# KiCad board RobotLegoController.kicad_pcb (continued)
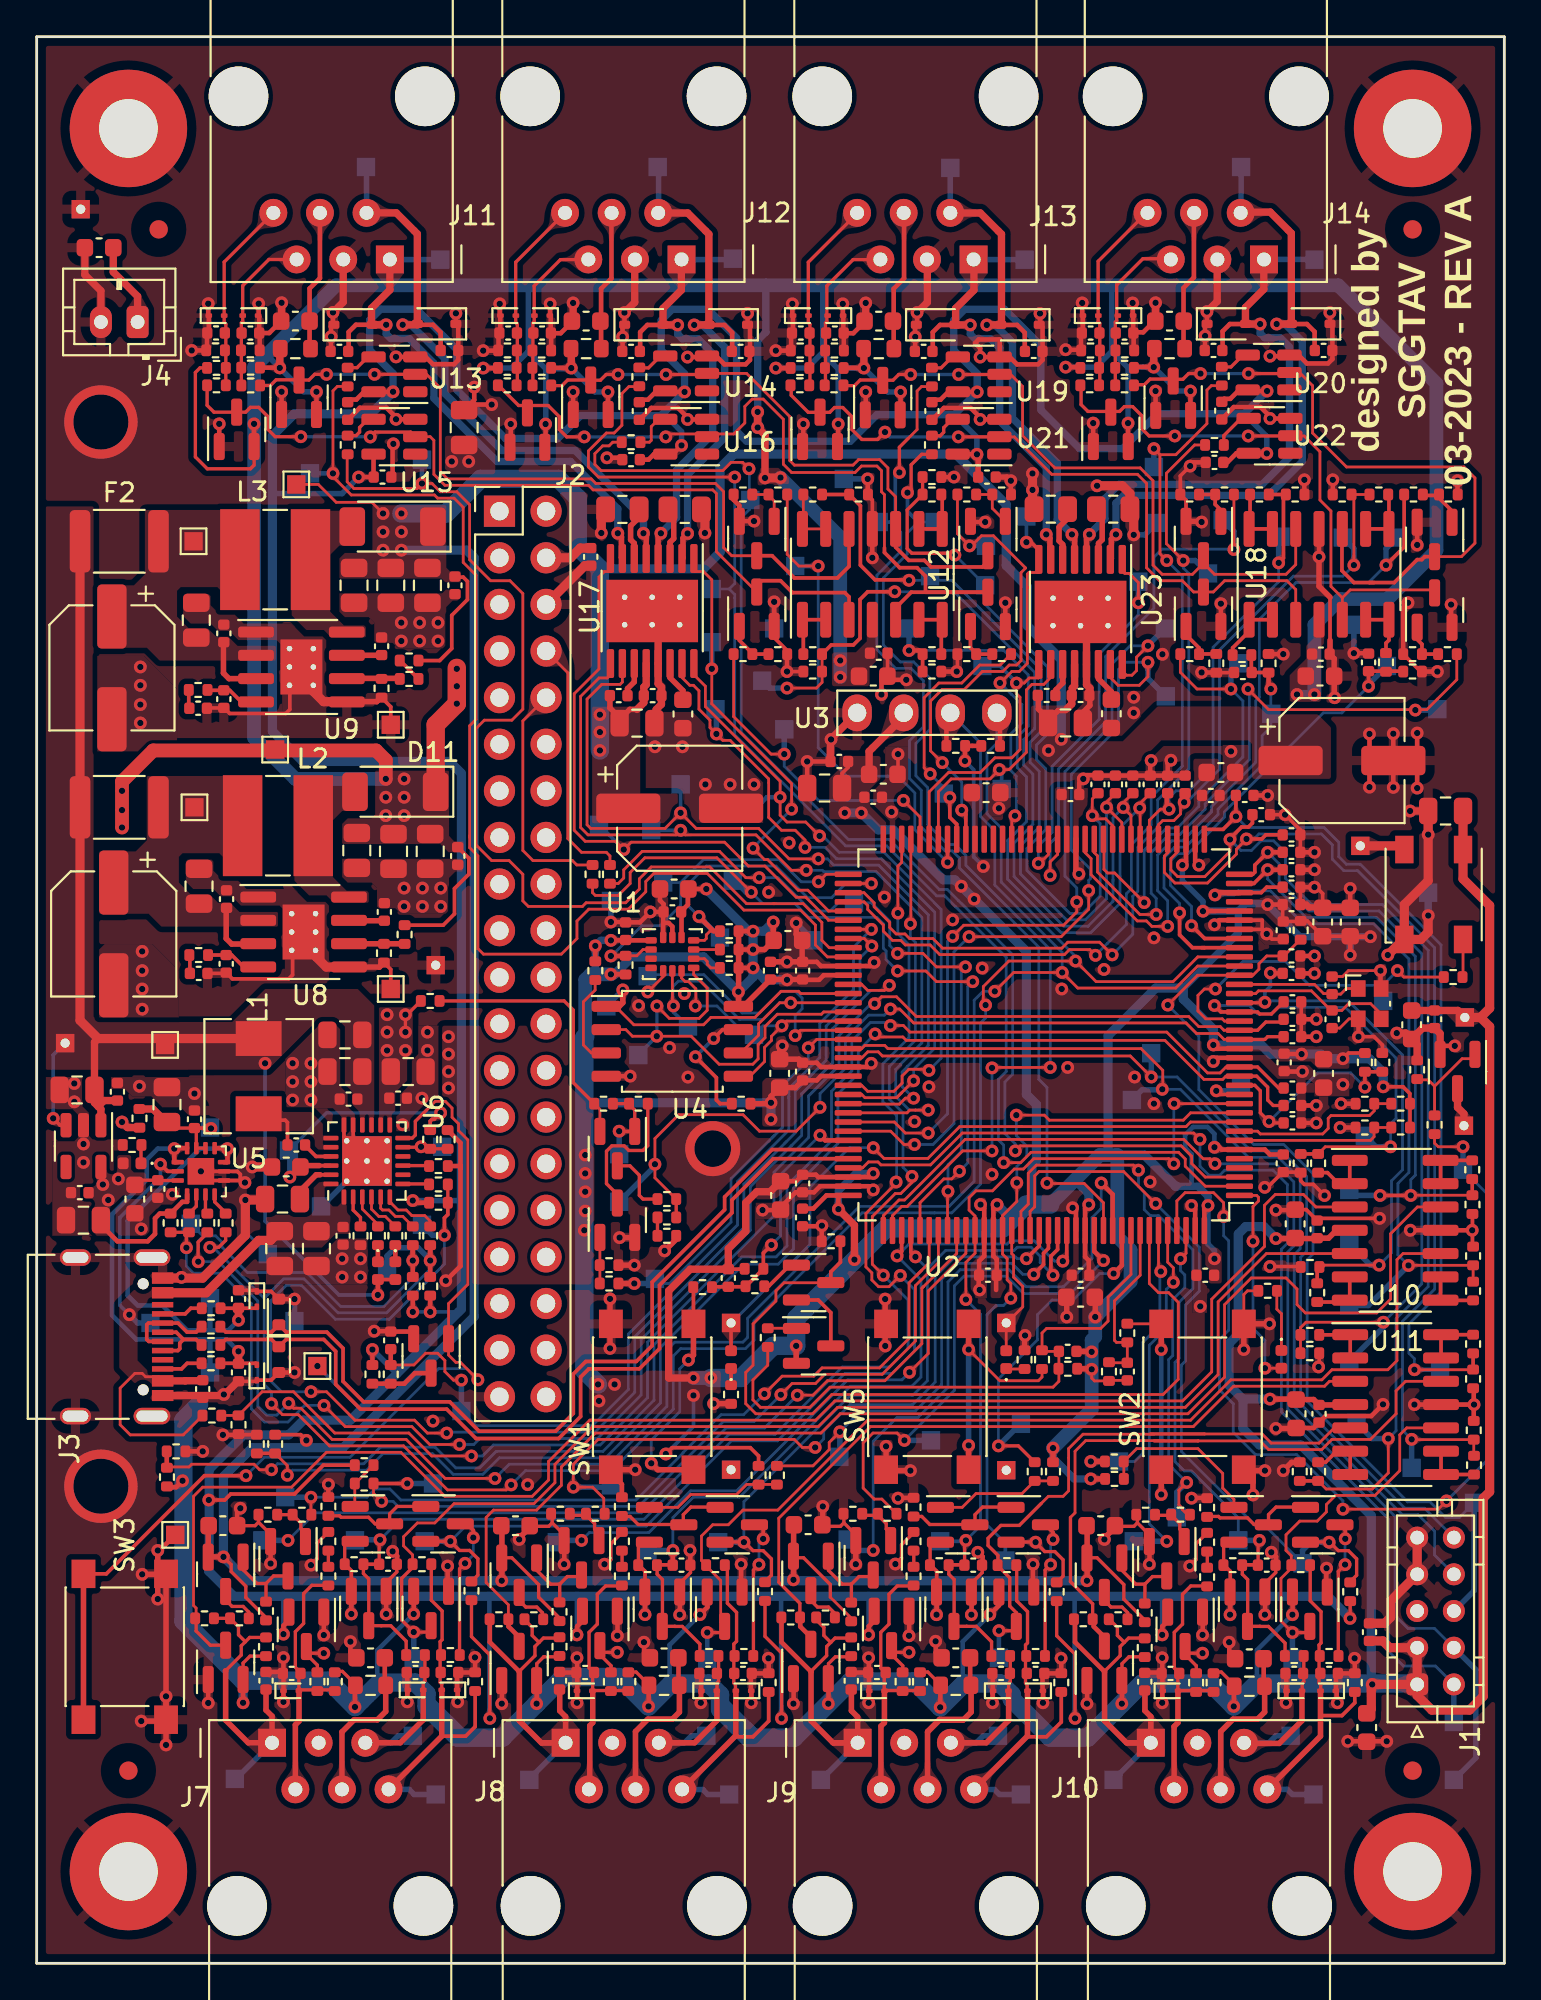
[diagram p0: board, top side]
## Routing (per net, layer and track width the routed paths; a pad name or vN(x,y) marks a point on that pad's centre or on a via; arc(x,y) is an arc through that point) (continued)
MOTORD_PIN5_SENSE: length 28.5
  L1 w0.15: R214.2 R218.1 71.8,79.92 71.8,76.25 ; v1(62.55,63.28) 62.35,63.08 62.35,62.64 61.98,62.28 61.38,62.28 61.15,62.05 U2.42
  L1 w0.25: 62.55,63.75 62.5,63.7 62.5,63.33 v1(62.55,63.28)
  L4 w0.15: v1(62.55,63.28) 62.68,63.28 64.47,65.07 64.47,71.58 68.5,75.6 71.2,75.6 v1(71.8,76.2)
  L4 w0.3: v1(71.8,76.2) 71.8,77.1 TP114.1
MOTORD_PIN6_DET: length 36.2
  L1 w0.15: v1(66.03,69.45) 67.15,68.33 75.78,68.33 77.41,69.96 R234.1 ; 59.7,57.6 59.7,57.6 ; 59.7,57.6 60.14,57.16 v1(61.03,57.16) ; 59.7,57.6 57.82,59.47 57.82,60.36 57.65,60.53 U2.49
  L4 w0.15: v1(61.03,57.16) 61.03,58.04 60.75,58.32 60.75,60.54 61.74,61.53 62.32,61.53 63.69,62.9 63.69,63.19 66.1,65.6 66.1,69.38 v1(66.03,69.45)
  L4 w0.3: v1(75.15,68.3) 76.3,68.3 TP120.1
MOTORD_PIN6_ENCODER: length 49.2
  L1 w0.15: v1(62.5,76.45) 61.58,77.37 61.58,81.21 63.12,82.75 R240.1 ; U2.75 45.09,58.35 45.65,57.79 45.65,57.58 46.5,56.73 46.5,56.45 46.85,56.1 47.33,56.1 47.58,55.85 48.85,55.85 49.38,55.32 55.88,55.32 56.21,55.65 57.93,55.65 v1(58.62,54.96)
  L4 w0.15: v1(62.5,76.45) 62.5,76.05 62.8,75.75 62.8,65.1 61.1,63.4 61.1,61.9 60.02,60.82 60.02,58.42 59.75,58.15 59.75,56.08 v1(58.62,54.96)
  L4 w0.3: v1(62.5,76.45) 63.15,76.45 TP137.1
MOTORD_PIN6_SENSE: length 26.1
  L1 w0.2: v1(62.95,56.55) 62.96,56.55 63.66,55.85 U2.29 ; R232.1 74.47,70.42 C164.1 v1(72.6,69.6)
  L4 w0.15: v1(72.6,69.6) 71.15,68.15 70.14,68.15 64.75,62.76 64.75,62.47 62.75,60.47 62.19,60.47 61.8,60.08 61.8,58.75 62.95,57.6 v1(62.95,56.55)
  L4 w0.3: TP118.1 72.6,69.7 v1(72.6,69.6)
MOTORD_PWM1: length 44.7
  L1 w0.15: v1(48.6,45.25) 47.35,45.25 46.75,45.85 U2.100 ; v1(49.92,55.97) 50.53,56.57 55.97,56.57 56.69,57.29 v1(56.69,57.84) ; U23.16 59.18,70.42 59.4,70.2 59.7,70.2 59.95,70.45 59.95,71.18 v1(60.58,71.81)
  L4 w0.15: v1(49.92,55.97) 49.65,55.69 49.65,46.3 v1(48.6,45.25) ; v1(60.58,71.81) 59.61,71.81 58.62,70.82 58.62,67.51 56.05,64.94 56.05,59.25 56.69,58.61 v1(56.69,57.84)
  L4 w0.3: TP124.1 60.58,71.83 v1(60.58,71.81)
MOTORD_PWM2: length 46.7
  L1 w0.15: v1(60.58,70.91) 60.58,70.13 60.1,69.65 58.95,69.65 58.53,70.08 U23.15 ; U2.101 46.55,45.35 47.27,44.63 v1(47.85,44.63) ; v1(50.82,55.95) 55.84,55.95 57.34,57.45 v1(57.34,58.47)
  L4 w0.15: v1(47.85,44.63) 48.86,44.63 50,45.77 50,55.13 v1(50.82,55.95) ; v1(60.58,70.91) 59.36,70.91 58.97,70.52 58.97,67.37 56.4,64.8 56.4,60.67 57.44,59.63 57.44,59.11 57.34,59.02 v1(57.34,58.47)
  L4 w0.3: v1(60.58,70.91) 60.58,70.02 TP125.1
PIEZO_PWM: length 55.8
  L1 w0.15: v1(77.75,44.5) 76.4,44.5 76.2,44.7 R153.2 ; v1(71.2,24.75) 76.4,24.75 v1(76.85,25.2) ; v1(64.7,40.7) 64.7,41.45 64.15,42 62.6,42 62.15,41.55 U2.141
  L4 w0.15: v1(77.75,44.5) 77.75,43.25 79.2,41.8 79.2,27.55 v1(76.85,25.2) ; v1(71.2,24.75) 71.2,25.21 68.68,27.72 66.43,27.72 65.22,28.93 65.22,30.5 64.47,31.25 64.47,34 64.97,34.5 64.97,39.38 64.7,39.65 v1(64.7,40.7)
  L4 w0.3: TP145.1 77.75,43.25 v1(77.75,44.5)
PM_NIRQ: length 67.9
  L1 w0.15: v1(46.48,53.3) 46.2,53.03 45.29,53.03 44.97,53.35 U2.85 ; v1(15.66,30.41) 16.82,29.25 20.45,29.25 21.43,28.27 v1(23.05,28.27)
  L1 w0.18: R33.1 R38.1 8.16,39.7 v1(8.16,39)
  L4 w0.15: 41.16,44.59 38.9,42.32 38.9,39.95 32.95,34 32.95,30.97 30.58,28.6 24.16,28.6 23.83,28.27 v1(23.05,28.27) ; 41.16,44.59 41.7,45.12 41.7,47.39 43.38,49.07 43.38,50.93 45.47,53.03 46.2,53.03 v1(46.48,53.3) ; 41.16,44.59 41.1,44.52 ; v1(15.66,30.41) 14.61,30.41 13.7,29.5 12.42,29.5 11.7,30.22 11.7,35.95 10.04,37.61 8.55,37.61 8.16,38 v1(8.16,39)
SHUTDOWN: length 51.5
  L1 w0.15: v1(45.5,56.35) U2.79 ; v1(23.15,31.78) 22.72,31.78 22.25,32.25 22.25,32.85 21.85,33.25 21.2,33.25 20.56,32.61 R35.1
  L1 w0.25: C46.1 R35.1
  L4 w0.15: 41,47.25 41,45.41 38.2,42.61 38.2,40.24 32.25,34.29 32.25,31.26 30.29,29.3 23.95,29.3 TP25.1 v1(23.15,31.78) ; 41,47.25 41,47.1 ; 41,47.25 41,47.68 42.68,49.36 42.68,51.22 44.53,53.07 44.53,55.38 v1(45.5,56.35)
  L4 w0.3: v1(23.15,31.78) TP25.1
SYS_I2C_SCL: length 127.1
  L1 w0.15: v1(52.23,52.97) 53.25,54 v1(55.9,54) 56.75,53.15 62.09,53.15 63.29,54.35 U2.26 ; v1(24.98,26.42) 22.27,26.42 20.14,28.55 16.11,28.55 14.4,30.25 14.01,30.25 v1(13.73,30.53)
  L1 w0.18: v1(8.81,38.24) 8.8,38.24 8.8,39.3 9.3,39.8 R37.1
  L1 w0.2: v1(20.5,38.3) R39.1
  L1 w0.25: R39.1 R46.1 ; R19.1 49.59,67.94 U3.3 ; 20.5,39.15 v1(20.5,38.3)
  L4 w0.15: v1(24.98,26.42) 25.76,27.2 31.2,27.2 34.35,30.35 34.35,33.42 34.78,33.85 38.49,33.85 38.75,34.11 38.75,35.15 44.85,41.25 49.73,41.25 51.1,42.62 51.1,52.48 51.59,52.97 v1(52.23,52.97) ; 9.1,39.65 9.75,39.65 10.1,39.3 10.1,39.03 11.48,37.65 14.72,37.65 16.57,35.8 18.93,35.8 20.5,37.37 v1(20.5,38.3) ; 9.1,39.65 8.81,39.36 v1(8.81,38.24) 9.91,38.24 12.05,36.09 12.05,30.37 12.54,29.88 13.08,29.88 v1(13.73,30.53) ; 9.1,39.65 9.05,39.65 TP30.1 ; U3.3 51.45,66.5 51.45,62.51 52.22,61.73 52.22,58.76 55.9,55.09 v1(55.9,54)
SYS_I2C_SDA: length 124.6
  L1 w0.15: v1(51.72,52.22) 51.6,52.35 51.6,53.23 52.99,54.62 v1(56.63,54.62) 57.75,53.5 61.94,53.5 63.29,54.85 U2.27 ; v1(25.86,26.07) 25.59,25.8 22.39,25.8 19.99,28.2 15.96,28.2 14.26,29.9 13.4,29.9 v1(12.8,30.5)
  L1 w0.18: v1(9.44,39.02) 9.92,39.02 10.3,39.4 R36.1
  L1 w0.2: v1(21.45,38.3) R40.1
  L1 w0.25: R40.1 R44.1 ; U3.4 52.51,67.98 R20.1 ; 21.45,39.15 v1(21.45,38.3)
  L4 w0.15: v1(21.45,38.3) 21.45,37.83 19.07,35.45 16.42,35.45 14.57,37.3 13.46,37.3 12.4,36.24 ; 48.95,40.9 48.7,40.9 ; 48.95,40.9 49.88,40.9 51.45,42.47 51.45,51.25 51.72,51.52 v1(51.72,52.22) ; 48.95,40.9 44.99,40.9 39.1,35.01 39.1,33.96 38.64,33.5 35.1,33.5 34.7,33.1 34.7,30.21 31.34,26.85 26.64,26.85 v1(25.86,26.07) ; v1(56.63,54.62) 56.63,54.87 52.57,58.92 52.57,61.88 51.8,62.65 51.8,65.96 52.34,66.5 U3.4 52.25,68.06 ; 12.4,36.24 12.4,31.55 12.8,31.15 v1(12.8,30.5) ; 12.4,36.24 9.62,39.02 v1(9.44,39.02) 9.44,39.03
  L4 w0.3: TP29.1 19.1,38.55 19.55,39 20.79,39 21.45,38.34 v1(21.45,38.3)
USB_DN: length 48
  L1 w0.2: R32.2 10.31,34.4 12.8,34.4 D5.1 13.6,34.4 15.82,34.4 16.7,33.52 16.7,31.72 17.82,30.6 22.52,30.6 24.12,29 28.28,29 29.25,29.97 29.25,32.12 29.93,32.8 32.68,32.8 33.55,33.67 33.55,37.12 37.5,41.07 37.5,41.77 40.08,44.35 U2.103
USB_DP: length 48.1
  L1 w0.15: 44.19,43.9 U2.104
  L1 w0.2: R34.2 10.01,33.71 10.3,34 12.8,34 D4.1 13.6,34 15.65,34 16.3,33.35 16.3,31.55 17.65,30.2 22.35,30.2 23.95,28.6 28.45,28.6 29.65,29.8 29.65,31.95 30.1,32.4 32.85,32.4 33.95,33.5 33.95,36.96 37.9,40.91 37.9,41.6 40.15,43.85 U2.104
Net-(C84-Pad1): length 1
  L1 w0.2: R63.1 8.35,54.92 C84.1
Net-(C85-Pad1): length 1
  L1 w0.2: R64.1 8.29,68.43 C85.1
Net-(C94-Pad2): length 8.9
  L1 w0.25: 19.03,15.2 18.97,15.25 C94.2
  L1 w0.3: J7.4 16.64,12.61 17.3,13.27 18.57,13.27 19.03,13.72 19.03,15.2
Net-(C99-Pad2): length 16.4
  L1 w0.25: 32.65,9.44 32.65,12.66 33.31,13.31 34.66,13.31 35.03,13.69 35.03,15.17 34.99,15.22 34.99,16.61
  L1 w0.3: F4.1 35.03,15.14 35.03,13.69 34.65,13.3 33.31,13.3 32.64,12.63 J8.4
Net-(C114-Pad2): length 16.4
  L1 w0.25: 48.55,9.44 48.55,12.66 49.21,13.31 50.56,13.31 50.94,13.69 50.94,15.17 50.88,15.22 50.88,16.61
  L1 w0.3: J9.4 48.56,12.6 49.21,13.25 50.5,13.25 50.94,13.69 50.94,15.14 F5.1
Net-(C119-Pad2): length 16.4
  L1 w0.25: 66.88,16.61 66.88,15.22 66.94,15.17 66.94,13.69 66.56,13.31 65.21,13.31 64.55,12.66 64.55,9.44
  L1 w0.3: J10.4 64.54,12.63 65.21,13.3 66.54,13.3 66.94,13.69 66.94,15.09 F6.1
Net-(C132-Pad2): length 7.7
  L1 w0.25: J11.4 15.44,91.84 14.88,91.28 C132.2 14.88,88.05 F7.1
Net-(C135-Pad2): length 7.7
  L1 w0.25: 30.81,87.99 30.76,88.04 30.76,91.27 31.33,91.83 31.33,95.39
Net-(C157-Pad2): length 7.7
  L1 w0.25: 47.28,95.39 47.28,91.83 46.72,91.27 46.72,88.04 46.76,87.99
Net-(C160-Pad2): length 7.7
  L1 w0.25: 63.08,95.44 63.08,91.88 62.51,91.31 62.51,88.09 62.56,88.04
Net-(D1-K): length 1
  L1 w0.15: R23.2 52.88,32.39 D1.1
Net-(D2-K): length 3.4
  L1 w0.15: D2.1 67.85,35.4 67.6,35.65 67.6,36.64 R24.2
Net-(D3-K): length 0.9
  L1 w0.2: R25.2 D3.1
Net-(D8-K): length 0.9
  L1 w0.25: D8.1 R45.2
Net-(D9-K): length 0.9
  L1 w0.25: D9.1 R47.2
Net-(D10-K): length 1
  L1 w0.18: D10.1 5.69,44.58 R56.2
Net-(D13-COM): length 85.8
  L1 w0.15: 30.16,29.6 42.46,29.6 43.51,30.65 62.47,30.65 64.05,32.23 64.05,36.19 66.93,39.07 66.93,41.31 67.52,41.9 69.05,41.9 69.73,41.22 U10.3 ; 30.35,29.6 30.15,29.6 27.9,27.35 27.9,26.34 27.01,25.45 22.25,25.45 19.85,27.85 15.8,27.85 13.9,25.95 9.05,25.95 8.55,25.45 8.55,19.5 8.69,19.36 8.69,18.8
  L1 w0.18: D13.3 9.46,17.34 8.69,18.11 8.69,18.8
Net-(D14-COM): length 73.9
  L1 w0.15: R85.2 25.71,19.54 24.5,20.75 24.5,24.3 24.9,24.7 27.25,24.7 28.6,26.05 28.6,27.05 30.45,28.9 42.75,28.9 43.8,29.95 62.76,29.95 64.75,31.94 64.75,35.89 66.21,37.35 68.1,37.35 68.7,36.75 68.7,35.9 69.16,35.44 73.04,35.44 73.8,36.2 73.8,39.76 75.26,41.22 U10.12
  L1 w0.25: 26.31,17.3 26.31,17.77 25.72,18.36 25.72,18.77
Net-(D23-COM): length 69.5
  L1 w0.15: U10.5 67.03,38.68 64.4,36.05 64.4,32.09 62.61,30.3 43.66,30.3 42.61,29.25 30.31,29.25 28.25,27.19 28.25,26.19 27.11,25.05 22.75,25.05 21.7,24 20.75,24 20,23.25 20,22.75 20.49,22.26 R112.1
  L1 w0.18: D23.3 21.5,18.05 20.55,18.05 19.89,18.71 19.89,20.97 20.49,21.57 R112.1
  L4 w0.3: TP62.1 20.55,16.6 v1(20.55,18.05)
Net-(D24-COM): length 58.1
  L1 w0.15: D24.3 37.28,18.58 37.28,20.86 36.49,21.66 R114.1 36.24,21.95 36.24,23.29 36.85,23.9 37.7,23.9 38.5,24.7 40.4,24.7 45.3,29.6 62.9,29.6 65.1,31.8 70.06,31.8 70.61,32.35 73.65,32.35 74.15,32.85 74.15,38.35 74.48,38.68 U10.10
  L1 w0.18: 36.55,18.03 37.5,18.03 37.5,18.38
  L4 w0.25: TP64.1 36.55,16.6 v1(36.55,18.03)
Net-(D27-COM): length 41.9
  L1 w0.15: 40.45,20.77 40.45,24.26 45.44,29.25 63.04,29.25 65.24,31.45 70.2,31.45 70.47,31.72 U11.3
  L1 w0.18: 40.45,20.77 41.6,19.62 41.6,18.78
  L1 w0.25: 41.62,18.77 41.62,18.36 42.21,17.77 42.21,17.3
Net-(D28-COM): length 34.7
  L1 w0.15: 63.31,28.48 63.3,28.47 66.68,28.47 67.15,28 70.05,28 70.6,28.55 72.7,28.55 74.1,29.95 74.1,31.2 74.62,31.72 U11.12 ; 61.45,28.48 57.18,28.48 56.6,27.91 56.6,24.55 56.35,24.3
  L1 w0.18: 60.92,28.47 63.3,28.47 ; R135.2 57.56,19.59 56.35,20.8 56.35,24.3
  L1 w0.25: 57.62,18.77 57.62,18.36 58.21,17.77 58.21,17.3
Net-(D37-COM): length 32.4
  L1 w0.15: 63.65,28.85 66.79,28.85 67.29,28.35 69.9,28.35 70.73,29.18 U11.5 ; 54.75,25.06 55.15,25.45 55.95,25.45 56.25,25.75 56.25,28.05 57.03,28.83 60.9,28.83
  L1 w0.18: 54.75,25.06 53.56,23.86 52.56,23.86 51.86,23.17 51.86,22.77 52.4,22.23 52.4,21.65 53.04,21.01 53.04,19.47 53.41,19.1 53.41,18.36 ; 53.4,18.47 53.4,18.12 52.45,18.12 ; 60.7,28.85 63.65,28.85
  L4 w0.25: v1(52.45,18.13) 52.45,16.65 TP86.1
Net-(D38-COM): length 20.9
  L1 w0.15: v1(68.45,18.03) 67.82,18.65 67.82,20.97 68.39,21.54 R164.1 68.39,22.21 68.1,22.5 68.1,23.35 68.85,24.1 69.8,24.1 70.3,24.6 70.3,25 70.8,25.5 72.95,25.5 74.3,26.85 74.3,28.8 74.68,29.18 U11.10
  L1 w0.18: 68.45,18.03 69.4,18.03 69.4,18.38
  L4 w0.3: TP88.1 68.45,16.6 v1(68.45,18.03)
Net-(D65-DIN): length 2.1
  L1 w0.15: R152.2 77.75,53.78 D65.2
Net-(D65-DO): length 2.5
  L1 w0.5: D65.4 74.35,60.9 TP149.1
Net-(J2-GPIO14/TXD): length 13.9
  L1 w0.15: J2.8 28.95,70.34 28.95,61.3 29.7,60.55 31.05,60.55 31.25,60.35 R5.2
Net-(J2-GPIO15/RXD): length 13
  L1 w0.15: J2.10 26.5,67.71 26.5,60.65 27.05,60.1 29.2,60.1 29.44,59.86 R9.2
Net-(J3-CC1): length 2.3
  L1 w0.2: R29.1 8.4,35.7 8.09,35.39 J3.A5
Net-(J3-CC2): length 2.3
  L1 w0.2: J3.B5 7.89,32.39 8.2,32.7 R30.1
Net-(J3-D+-PadA6): length 4
  L1 w0.2: 8,34 7.8,33.8 7.8,33.5 7.69,33.39 J3.B6 ; 8,34 7.61,34.39 J3.A6 ; 8,34 8.69,34 R34.1
Net-(J3-D--PadA7): length 5.1
  L1 w0.2: R32.1 8.69,34.4 8.19,34.4 7.7,34.89 J3.B7 6.09,34.89 6,34.8 6,34 6.11,33.89 J3.A7
Net-(Q1-D): length 4
  L1 w0.2: Q1.3 43.29,35.46 42.6,36.15 Q2.2
Net-(Q1-G): length 1.6
  L1 w0.15: R13.1 41.4,34.61 Q1.1
Net-(Q2-G): length 2.2
  L1 w0.2: Q2.1 41.05,38.05 39.9,36.9 R15.1
Net-(Q3-D): length 3.6
  L1 w0.18: R43.2 33.05,41.65 32.85,41.85 32.85,42.95 32.34,43.46 Q3.3
Net-(Q3-G): length 4.6
  L1 w0.18: Q3.1 32.6,46.5 32.29,46.81 R50.1 R42.2
  L1 w0.2: v1(31.75,45.35) 31.76,45.34 Q3.1
  L4 w0.3: v1(31.75,45.35) TP33.1
Net-(Q3-S): length 14.7
  L1 w0.15: Q3.2 30.7,46.54 R42.1
  L1 w0.18: R206.2 28.75,52.45 29.25,51.95 29.25,47.99 R42.1
Net-(Q4-D): length 7.9
  L1 w0.18: R50.2 33.31,44.56 33.05,44.3 32.28,44.3 32.03,44.55 31.35,44.55 31.06,44.26 31.06,42.49 31.65,41.9 Q4.3
Net-(Q4-G): length 2.5
  L1 w0.15: Q4.1 30.7,37.06
Net-(Q5-D): length 2.3
  L1 w0.18: R80.2 11.56,19.14 11.25,19.45 10.65,19.45 10.3,19.8 Q5.3
Net-(Q5-G): length 4.6
  L1 w0.18: Q7.3 12.91,21.11 12.5,20.7 ; 12.5,19.76 12.5,20.7 ; 12.5,20.7 12,20.7 11.25,21.45 Q5.1
Net-(Q6-D): length 2.3
  L1 w0.18: 26.31,20.23 26.31,19.77 26.66,19.42 27.26,19.42 27.57,19.11 27.57,18.77
Net-(Q6-G): length 4.6
  L1 w0.18: 27.26,22.1 27.26,21.42 28.01,20.67 28.51,20.67 ; 28.51,19.72 28.51,20.67 ; 28.51,20.67 28.92,21.08 29.71,21.08
Net-(Q7-G): length 2.6
  L1 w0.18: Q7.1 14.65,23.45 14.4,23.7 14.4,24 R78.2 R82.2
Net-(Q8-G): length 2.6
  L1 w0.18: 29.12,24.42 29.96,24.42 30.41,23.97 30.41,23.67 30.66,23.42 30.66,22.95
Net-(Q9-G): length 7.5
  L1 w0.15: 40.4,26.09 40.39,26.1 38.7,26.1 38.15,25.55 35.65,25.55 34.95,24.85 Q9.1
Net-(Q10-D): length 6.2
  L1 w0.18: Q15.1 19.65,24.9 19.24,24.49 Q10.3 18.45,23.95 18.09,24.31 16.59,24.31 16.51,24.39 R117.2
Net-(Q10-G): length 2.7
  L1 w0.15: R102.1 17.36,26.15 R104.2 17.34,24.92 Q10.1
Net-(Q11-D): length 6.2
  L1 w0.18: 53.12,24.86 51.56,24.86 51.15,24.45 51.15,23.92 48.69,23.92 48.25,24.36 47.81,24.36
Net-(Q11-G): length 6.7
  L1 w0.15: Q11.1 50.45,24.85 51.2,25.6 53.71,25.6 R107.2 R106.1
Net-(Q12-D): length 6.2
  L1 w0.18: 63.81,24.36 64.42,24.36 64.5,24.28 66,24.28 66.36,23.92 67.15,23.92 67.15,24.45 67.56,24.86 69.12,24.86
Net-(Q12-G): length 9.3
  L1 w0.15: R108.1 59.26,27.35 59.96,28.05 63.3,28.05 64.65,26.7 64.65,25.9 65.26,25.29 Q12.1
Net-(Q13-D): length 2.2
  L1 w0.4: TP146.1 77.8,46.3 77.45,46.65 Q13.3
Net-(Q13-G): length 5.6
  L1 w0.15: R153.1 76.2,47.8 ; 76.2,47.8 77.7,49.3 78.16,49.3 Q13.1 ; 76.2,47.8 75.85,48.15 75.29,48.15 R154.2
Net-(Q15-D): length 8
  L1 w0.18: 23.01,16.8 23.05,16.84 23.05,21.5 v1(23.35,21.8)
  L1 w0.2: v1(23.8,23.2) 23.8,23.6 23.45,23.95 Q15.3
  L4 w0.15: v1(23.35,21.8) 23.8,22.25 v1(23.8,23.2)
Net-(Q16-D): length 7.9
  L1 w0.18: v1(39.37,21.73) 39.07,21.43 39.07,16.77 39.03,16.73
  L1 w0.2: v1(39.6,23.13) 39.6,23.9 Q16.3
  L4 w0.15: v1(39.37,21.73) 39.37,22.9 v1(39.6,23.13)
Net-(Q16-G): length 6.2
  L1 w0.18: 37.22,24.86 35.66,24.86 35.25,24.45 35.25,23.92 32.78,23.92 32.34,24.36 31.91,24.36
Net-(Q17-D): length 2.3
  L1 w0.18: 43.47,18.77 43.47,19.11 43.16,19.42 42.56,19.42 42.21,19.77 42.21,20.23
Net-(Q17-G): length 4.6
  L1 w0.18: 44.41,19.72 44.41,20.67 ; 44.41,20.67 43.91,20.67 43.16,21.42 43.16,22.1 ; 44.41,20.67 44.82,21.08 45.61,21.08
Net-(Q18-D): length 2.3
  L1 w0.18: 59.47,18.77 59.47,19.11 59.16,19.42 58.56,19.42 58.21,19.77 58.21,20.23
Net-(Q18-G): length 4.6
  L1 w0.18: 61.61,21.08 60.82,21.08 60.41,20.67 ; 60.41,20.67 59.91,20.67 59.16,21.42 59.16,22.1 ; 60.41,20.67 60.41,19.72
Net-(Q19-G): length 2.6
  L1 w0.18: 45.02,24.42 45.86,24.42 46.31,23.97 46.31,23.67 46.56,23.42 46.56,22.95
Net-(Q20-G): length 2.6
  L1 w0.18: 62.56,22.95 62.56,23.42 62.31,23.67 62.31,23.97 61.86,24.42 61.02,24.42
Net-(Q27-D): length 7.5
  L1 w0.18: 54.93,16.73 54.97,16.77 54.97,21.43 v1(55.27,21.73)
  L1 w0.2: Q27.3 55.4,23.49 v1(55.4,23.1)
  L4 w0.15: v1(55.27,21.73) 55.27,22.97 v1(55.4,23.1)
Net-(Q28-D): length 7.5
  L1 w0.18: 70.98,16.73 70.95,16.76 70.95,21.36 v1(71.32,21.73)
  L1 w0.2: v1(71.33,23.14) 71.33,23.61 Q28.3
  L4 w0.15: v1(71.32,21.73) 71.32,23.13 v1(71.33,23.14)
Net-(Q29-G): length 2.5
  L1 w0.15: R186.2 R184.2 39.89,80.01 40.2,79.7 Q29.1
Net-(Q30-G): length 2.6
  L1 w0.15: Q30.1 52.09,79.3 R187.2 R185.2
Net-(Q31-G): length 2.7
  L1 w0.2: Q31.1 38.3,72.1 39.01,71.39 R198.2 R200.2
Net-(Q32-G): length 2.5
  L1 w0.2: R199.2 R201.2 51.21,71.39 50.9,71.7 Q32.1
Net-(Q33-G): length 2.5
  L1 w0.2: R221.2 R219.2 64.24,79.51 64.55,79.2 Q33.1
Net-(Q34-G): length 2.6
  L1 w0.2: Q34.1 77.15,79.15 76.44,79.86 76.44,80 75.56,80
Net-(Q35-G): length 2.8
  L1 w0.2: R235.2 63.37,71.36 R233.2 63.36,71.69 62.65,72.4 Q35.1
Net-(Q36-G): length 2.5
  L1 w0.2: R234.2 R236.2 75.51,71.89 75.2,72.2 75.2,72.81
Net-(Q37-D): length 3.4
  L1 w0.25: Q37.3 20.61,32.16 20.04,31.59 R31.1
Net-(R10-Pad1): length 13.2
  L1 w0.15: v1(50.8,33.45) 52.5,31.75 54.6,31.75 54.8,31.95 R10.1
  L1 w0.3: SW5.2 v1(50.8,33.45) ; SW5.2 v1(50.8,28.23)
  L4 w0.3: v1(50.8,28.23) v1(50.8,33.45)
Net-(R11-Pad1): length 13.1
  L1 w0.2: SW1.2 35.8,36.84 R11.1
  L1 w0.3: 35.8,34.93 35.8,33.15 v1(35.52,32.88) ; SW1.2 33.85,26.9 v1(33.5,27.25)
  L4 w0.15: v1(33.5,27.25) 33.5,28.51 35.05,30.06 35.05,32.4 v1(35.52,32.88)
Net-(R12-Pad1): length 12.6
  L1 w0.15: R12.1 59.46,34.85 SW2.2
  L1 w0.3: 61.3,26.95 v1(61.3,25.55) ; SW2.2 v1(61.3,33.45)
  L4 w0.25: v1(61.3,25.55) v1(61.3,33.45)
Net-(R51-Pad1): length 1
  L1 w0.18: R55.2 R51.1
Net-(R60-Pad1): length 1.4
  L1 w0.2: R61.1 19.81,71 R60.1
Net-(R93-Pad1): length 0.9
  L1 w0.18: R93.1 R94.2
Net-(R96-Pad1): length 0.9
  L1 w0.18: 31.91,21.58 31.91,22.45
Net-(R143-Pad1): length 0.9
  L1 w0.18: 47.81,21.58 47.81,22.45
Net-(R146-Pad1): length 0.9
  L1 w0.18: 63.81,21.58 63.81,22.45
Net-(R202-Pad2): length 1.7
  L1 w0.18: R202.2 17.46,86.96 18.05,87.55 U13.4
Net-(R203-Pad2): length 1.7
  L1 w0.18: 32.84,86.95 33.35,86.95 33.94,87.54 34.25,87.54
Net-(R204-Pad2): length 1.9
  L1 w0.18: R204.2 17.41,83.26 17.6,83.45 17.6,83.7 18.05,84.15 U15.4
Net-(R205-Pad2): length 2.3
  L1 w0.15: R205.2 33.4,82.9 33.5,83 33.5,83.75 33.9,84.15 U16.4
Net-(R237-Pad2): length 1.7
  L1 w0.18: 48.79,86.95 49.3,86.95 49.89,87.54 50.2,87.54
Net-(R238-Pad2): length 1.7
  L1 w0.18: 64.59,87 65.1,87 65.69,87.59 66,87.59
Net-(R239-Pad2): length 1.9
  L1 w0.18: 50.2,84.14 49.89,84.14 49.44,83.69 49.44,83.44 49.25,83.25 48.79,83.25
Net-(R240-Pad2): length 2.2
  L1 w0.18: 66.01,84.2 65.65,84.2 64.71,83.26 R240.2
Net-(U1-SCX): length 1.4
  L1 w0.15: U1.3 R1.1
Net-(U1-SDX): length 1.7
  L1 w0.15: R2.1 36.75,54.25 36.55,54.45 36.55,54.6 36.4,54.75 U1.2
Net-(U2-PF2): length 2.6
  L1 w0.18: v1(64.3,47.55) 64.5,47.35 U2.12
  L4 w0.3: v1(64.3,47.55) 65.6,47.55
Net-(U4-~{HOLD}): length 6.7
  L1 w0.2: v1(36.9,50.4) 37.38,50.89 U4.7 ; R17.1 37.25,46.85 37.05,47.05 37.05,48.27 v1(35.91,49.41)
  L4 w0.2: v1(36.9,50.4) v1(35.91,49.41)
Net-(U4-~{WP}): length 5.3
  L1 w0.15: U4.3 30.24,49.61 29.8,50.05 29.8,52.4 30.44,53.04 30.44,53.65
Net-(U5-INT_N): length 1.2
  L1 w0.18: R38.2 8.7,41.26 U5.5
Net-(U5-SCL): length 1.1
  L1 w0.18: U5.6 9.2,40.96 R37.2
Net-(U5-SDA): length 1.3
  L1 w0.18: U5.7 9.7,41.5 10.3,40.9 R36.2
Net-(U6-BTST): length 1.7
  L1 w0.2: C54.2 14.63,44.57 15.22,43.97 U6.21
Net-(U6-PMID): length 2.1
  L1 w0.2: U6.23 15.45,42.97
  L1 w0.3: 15.45,42.97 15.24,42.97 14.35,42.09 14.35,42
Net-(U6-PSEL): length 1.8
  L1 w0.18: U6.2 17.25,41.05 17.65,40.65 R52.2
Net-(U6-SCL): length 2.8
  L1 w0.15: R46.2 19.96,40.7 19.55,40.7 19.2,41.06 18.84,41.06 18.75,41.15 U6.5
Net-(U6-SDA): length 3.2
  L1 w0.15: U6.6 19.25,41.41 19.34,41.41 19.69,41.06 20.15,41.06 20.45,40.75 21.15,40.75 21.45,40.45 R44.2
Net-(U6-TS): length 4.7
  L1 w0.18: R57.2 R53.1 21.37,44.47 U6.11
  L4 w0.2: v1(20.95,44.5) 22.05,44.5
  L4 w0.3: v1(20.95,44.5) TP58.1
Net-(U6-~{CE}): length 1.4
  L1 w0.18: R49.2 21.37,43.47 U6.9
Net-(U6-~{INT}): length 1.4
  L1 w0.18: U6.7 21.37,42.47 R48.2
Net-(U8-COMP): length 3.1
  L1 w0.2: 12.12,54.3 11.28,54.3 10.63,54.95 C82.1 R63.2
Net-(U8-FB): length 3
  L1 w0.3: R59.1 20.05,55.56 17.07,55.56
Net-(U8-SS): length 2
  L1 w0.25: 17.09,56.82 17.07,56.83 ; C80.1 18.95,56.9
  L1 w0.3: C80.1 17.09,56.82
Net-(U9-COMP): length 3.8
  L1 w0.2: 11.13,68.76 11.97,68.76 ; R64.2 9.33,69.38 C83.1 10.52,69.38 11.16,68.75 U9.4
Net-(U9-FB): length 2.8
  L1 w0.3: 16.93,70.03 19.76,70.03
Net-(U9-SS): length 2
  L1 w0.25: 18.8,71.28 18.8,71.36 ; 16.94,71.28 16.93,71.3
  L1 w0.3: 18.8,71.28 16.94,71.28
Net-(U10A--): length 3.2
  L1 w0.2: U10.1 U10.2 70.96,42.49 70.36,43.09 R86.1
Net-(U10B--): length 3.1
  L1 w0.2: R120.1 71.47,36.04 U10.7 U10.6
Net-(U10C--): length 3
  L1 w0.2: R121.1 76.54,36.13 U10.8 U10.9
Net-(U10D--): length 3
  L1 w0.2: U10.13 U10.14 R87.1
Net-(U11A--): length 3
  L1 w0.2: R136.1 71.59,34.25 U11.1 U11.2
Net-(U11B--): length 3.3
  L1 w0.2: R170.1 70.26,27.31 70.86,27.91 U11.6 U11.7
Net-(U11C--): length 3.1
  L1 w0.2: U11.9 U11.8 R171.1
Net-(U11D--): length 3
  L1 w0.2: R137.1 U11.14 U11.13
Net-(U12A--): length 3.2
  L1 w0.2: R192.1 41.79,73.17 41.74,73.22 43.01,73.22
Net-(U12B--): length 3.1
  L1 w0.2: R193.1 49.31,73.17 ; 49.36,73.22 48.09,73.22
Net-(U12C--): length 3.2
  L1 w0.2: R179.1 49.36,80 U12.8 U12.9
Net-(U12D--): length 3.2
  L1 w0.15: U12.13 U12.14 41.79,78.22 R178.1
Net-(U17-AISEN): length 2.9
  L1 w0.3: R207.2 34.72,78.92 34.72,77.65 34.53,77.45 U17.3
Net-(U17-BISEN): length 2.9
  L1 w0.3: R208.2 32.84,78.8 32.38,78.34 32.38,77.59 32.57,77.39 U17.6
Net-(U17-VCP): length 1.9
  L1 w0.3: U17.11 32.57,69.84 32.21,69.47 C150.2
Net-(U17-VINT): length 2.3
  L1 w0.3: U17.14 34.53,70.06 35.22,69.36 C149.1
Net-(U18A--): length 3.6
  L1 w0.2: R227.1 65.19,71.69 66.09,72.59 66.09,73.22 67.36,73.22
Net-(U18B--): length 3.2
  L1 w0.2: R228.1 73.55,71.95 73.71,72.11 73.71,73.22 72.44,73.22
Net-(U18C--): length 3.2
  L1 w0.2: U18.9 U18.8 73.71,80.01 R214.1
Net-(U18D--): length 3.2
  L1 w0.2: R213.1 66.14,78.22 U18.14 U18.13
Net-(U23-AISEN): length 2.9
  L1 w0.3: 57.88,76.5 57.88,77.39 58.08,77.59 58.08,78.86 57.77,79.17
Net-(U23-BISEN): length 2.9
  L1 w0.3: 56.19,79.17 56.19,78.74 55.73,78.28 55.73,77.53 55.93,77.33 55.93,76.5
Net-(U23-VCP): length 1.9
  L1 w0.3: 55.93,70.78 55.93,69.78 55.56,69.41 55.56,69.03
Net-(U23-VINT): length 2.3
  L1 w0.3: 57.88,70.78 57.88,70 58.58,69.3 58.58,68.8

## Copper pours and planes (outline as drawn; the poured copper is in the pictures)
+3.3V on L1: 65.55,57.2 66.95,57.2 67.65,56.5 69.05,56.5 69.45,56.1 69.45,55.45 70.4,54.5 73.3,54.5 73.3,56.35 72.9,56.75 69.85,56.75 69.35,57.25 68.6,57.25 68.4,57.45 68.4,58.15 68.35,58.2 66.85,58.2 66.65,58 65.55,58 65.55,57.7 66.4,57.7 66.45,57.65 66.45,57.55 66.4,57.5 65.55,57.5
+3.3V on L1: 30.55,32.3 30.1,31.85 30.1,29.85 37.3,29.85 37.3,32.3
+3.3V on L1: 57,39.6 57,34.85 58.15,34.85 58.15,38 57.3,38.85 57.3,39.6
+3.3V on L1: 3.15,44.1 3.15,42.6 2.9,42.35 2.6,42.35 2.5,42.25 2.5,41.75 2.6,41.65 2.75,41.65 2.9,41.5 2.9,39.65 4.05,39.65 4.15,39.75 4.15,41.3 4.7,41.85 5.7,41.85 5.95,42.1 5.95,43.05 5.9,43.1 5.3,43.1 5.15,43.25 5.15,44.05 4.35,44.05 4.35,43.1 4.3,43.05 3.9,43.05 3.85,43.1 3.85,44.1
+3.3V on L1: 63.5,39.8 63.5,38.85 63.7,38.65 63.7,38.05 63.9,37.85 63.9,37.05 64.6,37.05 64.6,38.75 64.35,39 64,39 63.8,39.2 63.8,39.8
+3.3V on L1: 62.5,61.3 62.5,62.85 63.05,63.4 63.05,65.65 64.45,65.65 64.45,64.45 64,64 64,63.25 63,62.25 62.8,62.25 62.8,61.3
+3.3V on L1: 65.45,49.7 67.15,49.7 67.7,49.15 69.45,49.15 69.85,48.75 71.55,48.75 71.55,50 65.45,50
+3.3V on L1: 46.3,61.25 46.3,62.25 45.59,62.95 45.59,63.94 46,64.35 46,65.8 43.75,65.8 43.75,65.1 43.2,64.55 43.2,62.35 45.5,62.35 46,61.85 46,61.25
+3.3V on L1: 52,39.85 52,36.25 53.05,36.25 53.1,36.2 53.1,37 52.85,37.25 52.85,38.45 52.3,39 52.3,39.85
+3.3V on L1: 44.3,42.7 41.7,42.7 41.45,42.45 41.15,42.45 40.3,41.6 39.25,41.6 39.2,41.65 39.2,42.8 39.95,43.55 42.85,43.55 43.4,43 44.3,43
+3.3V on L1: 44.4,48.5 41.35,48.5 41.1,48.25 39.75,48.25 39.55,48.05 39.55,45.6 41.2,45.6 41.45,45.85 41.45,47 42.1,47.65 42.75,47.65 43.3,48.2 44.35,48.2 44.4,48.25
+3.3V on L1: 51,60.5 50.85,60.35 50.4,60.35 49.8,59.75 49.8,57.75 50,57.55 56.3,57.55 56.3,64 56.2,64.1 55.6,64.1 55.5,64 55.5,62.8 56,62.3 56,60.45 55.77,60.22 51.45,60.2 51.3,60.35 51.3,62.6 51.6,62.9 51.6,64.3 50.5,64.3 50.5,63.35 51,62.85
+3.3V on L1: 44.45,54 40.45,54 40.45,53.2 42.9,53.2 43.4,53.7 44.45,53.7
+3.3V on L1: 22.1,46.8 23.5,45.4 23.5,37 30.4,37 30.4,51.1 22.1,51.1
+3.3V on L4: 37.3,33.4 37.3,30.15 36.45,29.3 35.25,29.3 35.25,33.4
+3.3V on L4: 29.35,32.9 32.25,32.9 32.25,31.6 30.2,29.55 29.35,29.55
+3.3V on L4: 3.2,41.1 3.2,43.7 5.25,45.75 5.25,50.15 6.25,51.15 23.1,51.15 23.1,47.15 17.5,47.15 15.2,49.45 10,49.45 8.1,47.55 8.1,45.2 4,41.1
+4V on L1: 3.4,51.3 3.1,51.6 3.1,79.4 0.5,79.4 0.5,48.7 12.59,48.7 12.59,48.69 15.4,51.5 16.35,51.5 16.8,51.05 16.8,47.9 17.2,47.5 17.2,46.8 17.6,46.4 17.6,45.3 17.9,45.3 17.9,46.2 17.95,46.25 18.05,46.25 18.1,46.2 18.1,45.3 18.4,45.3 18.4,52.2 17.5,53.1 12.45,53.1 10.65,51.3
+5V on L1: 68.3,68.75 68.3,70.2 69.2,71.1 69.2,71.8 69.6,72.2 69.6,73.4 70.2,73.4 70.2,71.95 70,71.75 70,68.75
+5V on L1: 45.25,73.05 45.25,72.05 44.65,71.45 43.45,71.45 43.35,71.35 43.35,69.6 45.4,69.6 45.4,70.6 45.85,71.05 45.85,73.05
+5V on L1: 16.65,62.1 16.65,61 22,61 22.45,60.55 23.27,60.55 23.27,61.15 22.75,61.15 22.48,61.45 22.47,65 18.45,65 18.45,62.6 18.25,62.4 16.95,62.4
+5V on L1: 22.25,83.25 25,83.25 25,81.25 24.9,81.15 22.55,81.15 22.25,81.45
+5V on L1: 41,80.55 39.3,80.55 39.3,81.5 41,81.5
+5V on L4: 6.3,64.6 6.3,51.2 5.15,50.05 5.15,45.85 3,43.7 3,41.25 3.9,40.35 3.9,35.35 5.55,33.7 9.15,33.7 10.1,32.75 10.1,29.45 10.05,29.4 1.25,29.4 0.5,30.15 0.5,64.6
+5V on L4: 18.5,65 20.55,65 20.55,62 18.5,62
+5V on L4: 41,81.45 41,80.5 39.3,80.5 39.3,81.45
+9V on L1: 16.5,76.56 16.5,75.47 22.08,75.47 22.28,75.27 23.12,75.26 23.12,75.87 22.53,75.87 22.33,76.06 22.32,79.47 18.3,79.47 18.3,77.06 18.1,76.87 16.8,76.87
+9V on L1: 66.25,64.55 66.25,66.45 66.05,66.65 61.3,66.65 59.85,65.2 55.25,65.2 54.1,66.35 54.1,68.55 56.31,68.55 56.32,68.54 56.32,66.69 56.41,66.6 59.2,66.6 61.1,68.5 69.4,68.5 70.55,67.35 70.55,64.55
+9V on L1: 34.95,62.14 34.95,63.75 32.9,63.75 32.9,68.49 30.28,68.49 30.28,62.14
+9V on L4: 18.35,76.45 20.45,76.45 20.45,79.55 18.35,79.55
+9V on L4: 55.5,67.05 54.75,66.3 54.75,65.6 55.3,65.6 56.25,66.55 56.25,67.05
GND on L1: 60.2,69.35 60.2,67.95 59.15,66.9 56.53,66.9 56.53,68.15 57.03,68.65 57.03,69.35
GND on L1: 46.5,61.4 46.5,62.25 45.6,63.15 45.6,63.9 46.25,64.55 46.25,66.3 47.5,66.3 47.5,64.3 47,63.8 47,62.5 46.8,62.3 46.8,61.4
GND on L1: 16.5,74.67 16.5,73.67 16.8,73.36 18.1,73.36 18.4,73.06 18.4,72.06 18.5,71.97 19.4,71.97 19.7,71.67 19.7,71.66 22.32,71.66 22.32,73.92 22.68,74.27 23.12,74.27 23.12,74.86 22.3,74.86 22.1,74.67
GND on L1: 3.4,55.25 3.7,55.55 6.3,55.55 7.75,54.1 7.75,51.55 3.4,51.55
GND on L1: 7.98,74.52 7.98,73.42 8.38,73.02 9.48,73.02 9.88,72.61 10.48,72.61 10.98,72.11 13.08,72.11 13.38,71.81 13.38,68.02 15.78,68.02 15.78,68.42 15.88,68.52 17.78,68.52 17.88,68.61 17.88,68.92 17.78,69.02 15.88,69.02 15.78,69.11 15.78,72.11 15.58,72.31 14.58,72.31 13.88,73.02 11.28,73.02 10.78,73.52 9.98,73.52 9.48,74.02 9.48,74.52 9.38,74.61 8.08,74.61
GND on L1: 33.2,64.05 35.15,64.05 35.3,63.9 35.3,62.15 39.6,62.15 39.6,64.35 35.75,68.2 33.2,68.2
GND on L1: 44.35,48.7 40.15,48.7 39.95,48.9 39.95,50.2 40.3,50.55 40.9,50.55 42,49.45 42.9,49.45 43.35,49 44.35,49
GND on L1: 63,61.45 63,62.2 63.4,62.6 63.7,62.6 64.05,62.95 64.05,63.85 64.65,64.45 64.65,66.4 66.05,66.4 66.05,64.45 65.85,64.25 65.25,64.25 64.95,63.95 64.95,62.9 64.4,62.35 64.05,62.35 63.85,62.15 63.45,62.15 63.3,62 63.3,61.45
GND on L1: 65.45,49.2 66.65,49.2 67.65,48.2 68.6,48.2 68.7,48.1 68.7,47.75 69.15,47.75 69.15,48.1 69.2,48.15 69.4,48.15 69.65,47.9 69.65,47.25 71.55,47.25 71.55,48.55 69.75,48.55 69.35,48.95 67.6,48.95 67.05,49.5 65.45,49.5
GND on L1: 56.5,39.55 56.5,38.1 55.65,37.25 55.65,34.85 56.8,34.85 56.8,39.55
GND on L1: 44.2,42.5 41.4,42.5 40.35,41.45 39.2,41.45 39.2,40.55 41.1,40.55 41.3,40.75 41.3,41.4 41.5,41.6 42.35,41.6 42.95,42.2 44.2,42.2
GND on L1: 17.4,45.3 17.4,46.35 17,46.75 17,47.4 16.6,47.8 16.6,50.85 16.2,51.25 15.5,51.25 13.55,49.3 13.55,46.6 16.15,46.6 16.6,46.15 16.6,45.3 16.9,45.3 16.9,46.1 16.95,46.15 17.05,46.15 17.1,46.1 17.1,45.3
GND on L1: 56.5,61.25 56.5,64.05 57.3,64.05 57.3,62.9 56.8,62.4 56.8,61.25
GND on L1: 0.5,0.5 79.5,0.5 79.5,104.5 0.5,104.5
GND on L1: 3.3,71.25 5.85,71.25 7.65,69.45 7.65,66.05 3.3,66.05
GND on L1: 44.4,54.2 40.45,54.2 40.45,55.05 40.75,55.05 40.85,55.15 40.85,57.3 41.65,57.3 42.35,56.6 42.35,55.45 43.3,54.5 44.4,54.5
GND on L1: 51.5,61.3 51.5,62.5 51.85,62.85 51.85,64.15 52.05,64.35 53.1,64.35 53.1,63.05 52.55,62.5 52.1,62.5 51.8,62.2 51.8,61.25 51.55,61.25
GND on L1: 6.3,42.25 6,41.95 6,41.85 5.8,41.65 4.85,41.65 4.3,41.1 4.3,39.7 4.25,39.65 4.3,39.6 5.9,39.6 6.15,39.85 6.15,40.7 6.8,41.35 7.45,41.35 7.8,41.7 7.8,42.25
GND on L1: 4.95,44.9 3.05,44.9 2.85,45.1 2.85,46.35 2.5,46.7 2.5,48.3 0.5,48.3 0.5,46.55 1.95,46.55 2.25,46.25 2.25,45 2.05,44.8 0.85,44.8 0.85,39.65 4.2,39.65 4.2,44.3 4.95,44.3
GND on L1: 63,39.85 63,35.45 63.8,35.45 63.8,36.9 63.5,37.2 63.5,38.6 63.3,38.8 63.3,39.85
GND on L1: 16.65,60.2 16.65,59.2 16.95,58.9 18.25,58.9 18.55,58.6 18.55,57.6 18.65,57.5 19.55,57.5 19.85,57.2 19.85,57.2 22.47,57.2 22.47,59.15 22.82,59.5 23.25,59.5 23.25,60.2
GND on L1: 51.8,39.9 51.8,36.25 50.7,36.25 50.65,36.3 50.65,38.1 51.5,38.95 51.5,39.9
GND on L1: 8.13,60.05 8.13,58.95 8.53,58.55 9.63,58.55 10.03,58.15 10.63,58.15 11.13,57.65 13.23,57.65 13.53,57.35 13.53,53.55 15.93,53.55 15.93,53.95 16.03,54.05 17.93,54.05 18.03,54.15 18.03,54.45 17.93,54.55 16.03,54.55 15.93,54.65 15.93,57.65 15.73,57.85 14.73,57.85 14.03,58.55 11.43,58.55 10.93,59.05 10.13,59.05 9.63,59.55 9.63,60.05 9.53,60.15 8.23,60.15
GND on L1: 65.45,57 66.8,57 67.65,56.15 68.25,56.15 68.25,55.5 66.95,55.5 66.6,55.85 66.6,56.05 66.45,56.2 65.45,56.2 65.45,56.5 66.4,56.5 66.45,56.55 66.45,56.65 66.4,56.7 65.45,56.7
GND on L1: 4.05,48.3 9.1,48.3 9.1,46.2 8.3,46.2 7.85,46.65 6.85,46.65 6.25,47.25 5.2,47.25 4.8,47.65 4.05,47.65
GND on L1: 15.65,38.75 16.4,39.5 18.05,39.5 18.05,37 12.5,37 12.5,38.75
GND on L1: 19.6,45.35 19.6,46.15 19.8,46.35 19.8,47.35 20.45,48 20.45,49.18 20.8,49.56 20.8,51.1 21.95,51.1 21.95,46.45 20.95,46.45 20.35,45.85 20.35,45.35
GND on L4: 0.5,0.5 79.5,0.5 79.5,104.5 0.5,104.5
GND on L4: 54.3,71.6 59.5,71.6 59.5,75.7 54.3,75.7
GND on L4: 12.4,54.4 16.8,54.4 16.8,58.5 12.4,58.5
GND on L4: 15.45,41.25 22.65,41.25 22.65,45.8 15.45,45.8
GND on L4: 13.35,68.55 17.75,68.55 17.75,72.65 13.35,72.65
GND on L4: 31.45,71.45 37.7,71.45 37.7,75.55 31.45,75.55
GND on L2: 0.5,0.5 79.5,0.5 79.5,104.5 0.5,104.5
GND on L3: 0.5,0.5 79.5,0.5 79.5,104.5 0.5,104.5
VBUS on L1: 6.95,31.45 5.5,31.45 4.5,32.45 4.5,35.9 5.45,36.85 7.45,36.85 7.45,36.25 6.25,36.25 5.5,35.5 5.5,32.85 6.3,32.05 6.95,32.05
VBUS on L1: 16.15,42.6 15.3,42.6 14.95,42.25 14.95,40.9 14.85,40.8 12.5,40.8 12.5,38.95 15.6,38.95 16.35,39.7 17.1,39.7 17.1,40.85 16.9,41.05 16.9,42.15 16.6,42.15 16.6,41.45 16.4,41.25 16.15,41.25 15.7,41.7 15.7,42.25 15.8,42.35 16.15,42.35
+BATT on L1: 18.6,45.25 18.6,52.1 20.5,52.1 20.5,49.45 20.25,49.2 20.25,48 19.6,47.35 19.6,46.4 19.4,46.2 19.4,45.25 19.1,45.25 19.1,46.15 19.05,46.2 18.95,46.2 18.9,46.15 18.9,45.25
+BATT on L4: 20.6,49.4 18.65,49.4 16.6,51.45 6.65,51.45 6.65,85.3 4.9,87.05 4.9,90.6 7.1,90.6 10.9,86.8 10.9,54.75 11.5,54.15 18.35,54.15 20.6,51.9
/02-System Power Supply and USB/5BOOSTIN on L1: 13.15,56.5 7.07,56.5 6.05,57.5 6.05,64.7 10.1,64.7 10.1,64.7 12.2,64.71 12.2,59.3 10.15,59.3 10.15,60.3 9.85,60.6 7.95,60.6 7.75,60.4 7.75,58.9 8.4,58.25 9.43,58.25 9.88,57.8 10.55,57.8 11.05,57.3 13.15,57.3
/02-System Power Supply and USB/5BOOSTIN on L1: 13.15,56.5 6.8,56.5 6.1,57.2 3.4,57.2 3.4,60.6 5.4,60.6 6,61.2 6,64.7 6.01,64.71 12.2,64.71 12.2,59.3 10.15,59.3 10.15,60.3 9.95,60.5 7.95,60.5 7.75,60.3 7.75,58.9 8.4,58.25 9.43,58.25 9.88,57.8 10.55,57.8 11.05,57.3 13.15,57.3
/02-System Power Supply and USB/9BOOSTIN on L1: 13.05,71 6.7,71 6,71.7 3.3,71.7 3.3,75.1 5.3,75.1 5.9,75.7 5.9,79.2 5.91,79.21 12.1,79.21 12.1,73.8 10.05,73.8 10.05,74.8 9.85,75 7.85,75 7.65,74.8 7.65,73.4 8.3,72.75 9.33,72.75 9.78,72.3 10.45,72.3 10.95,71.8 13.05,71.8
/02-System Power Supply and USB/BM_SW on L1: 16.45,44.35 15.25,44.35 15.1,44.5 15.1,44.95 14.7,45.35 10.85,45.35 10.85,47.25 13.35,47.25 13.35,46.5 13.45,46.4 14.95,46.4 15.6,45.75 15.6,45.15 15.65,45.1 16.45,45.1 16.45,44.85 15.65,44.85 15.6,44.8 15.6,44.65 15.65,44.6 16.45,44.6
Net-(D11-A) on L1: 18.05,57.8 16.2,57.8 15.8,58.2 14.85,58.2 14.05,59 14.05,64.7 17.88,64.7 17.88,62.8 16.65,62.8 16.15,62.3 16.15,59.2 16.9,58.45 18,58.45 18.1,58.35 18.1,57.85
Net-(D12-A) on L1: 17.9,72.27 16.05,72.27 15.65,72.67 14.7,72.67 13.9,73.47 13.9,79.16 17.72,79.16 17.72,77.27 16.5,77.27 16,76.77 16,73.67 16.75,72.92 17.85,72.92 17.95,72.81 17.95,72.31

Small or netless copper shapes (teardrops, artwork), in the pictures only: 505 on L1, 519 on L4, 11 on L3

## Text on the board
B.Silkscreen: designed by / SGGTAV / 03-2023 - REV A | OpenBotBrain
F.Silkscreen: designed by / SGGTAV / 03-2023 - REV A
